# Altium PCB STM32最小系统.PcbDoc (part 4 of 4) (continued)
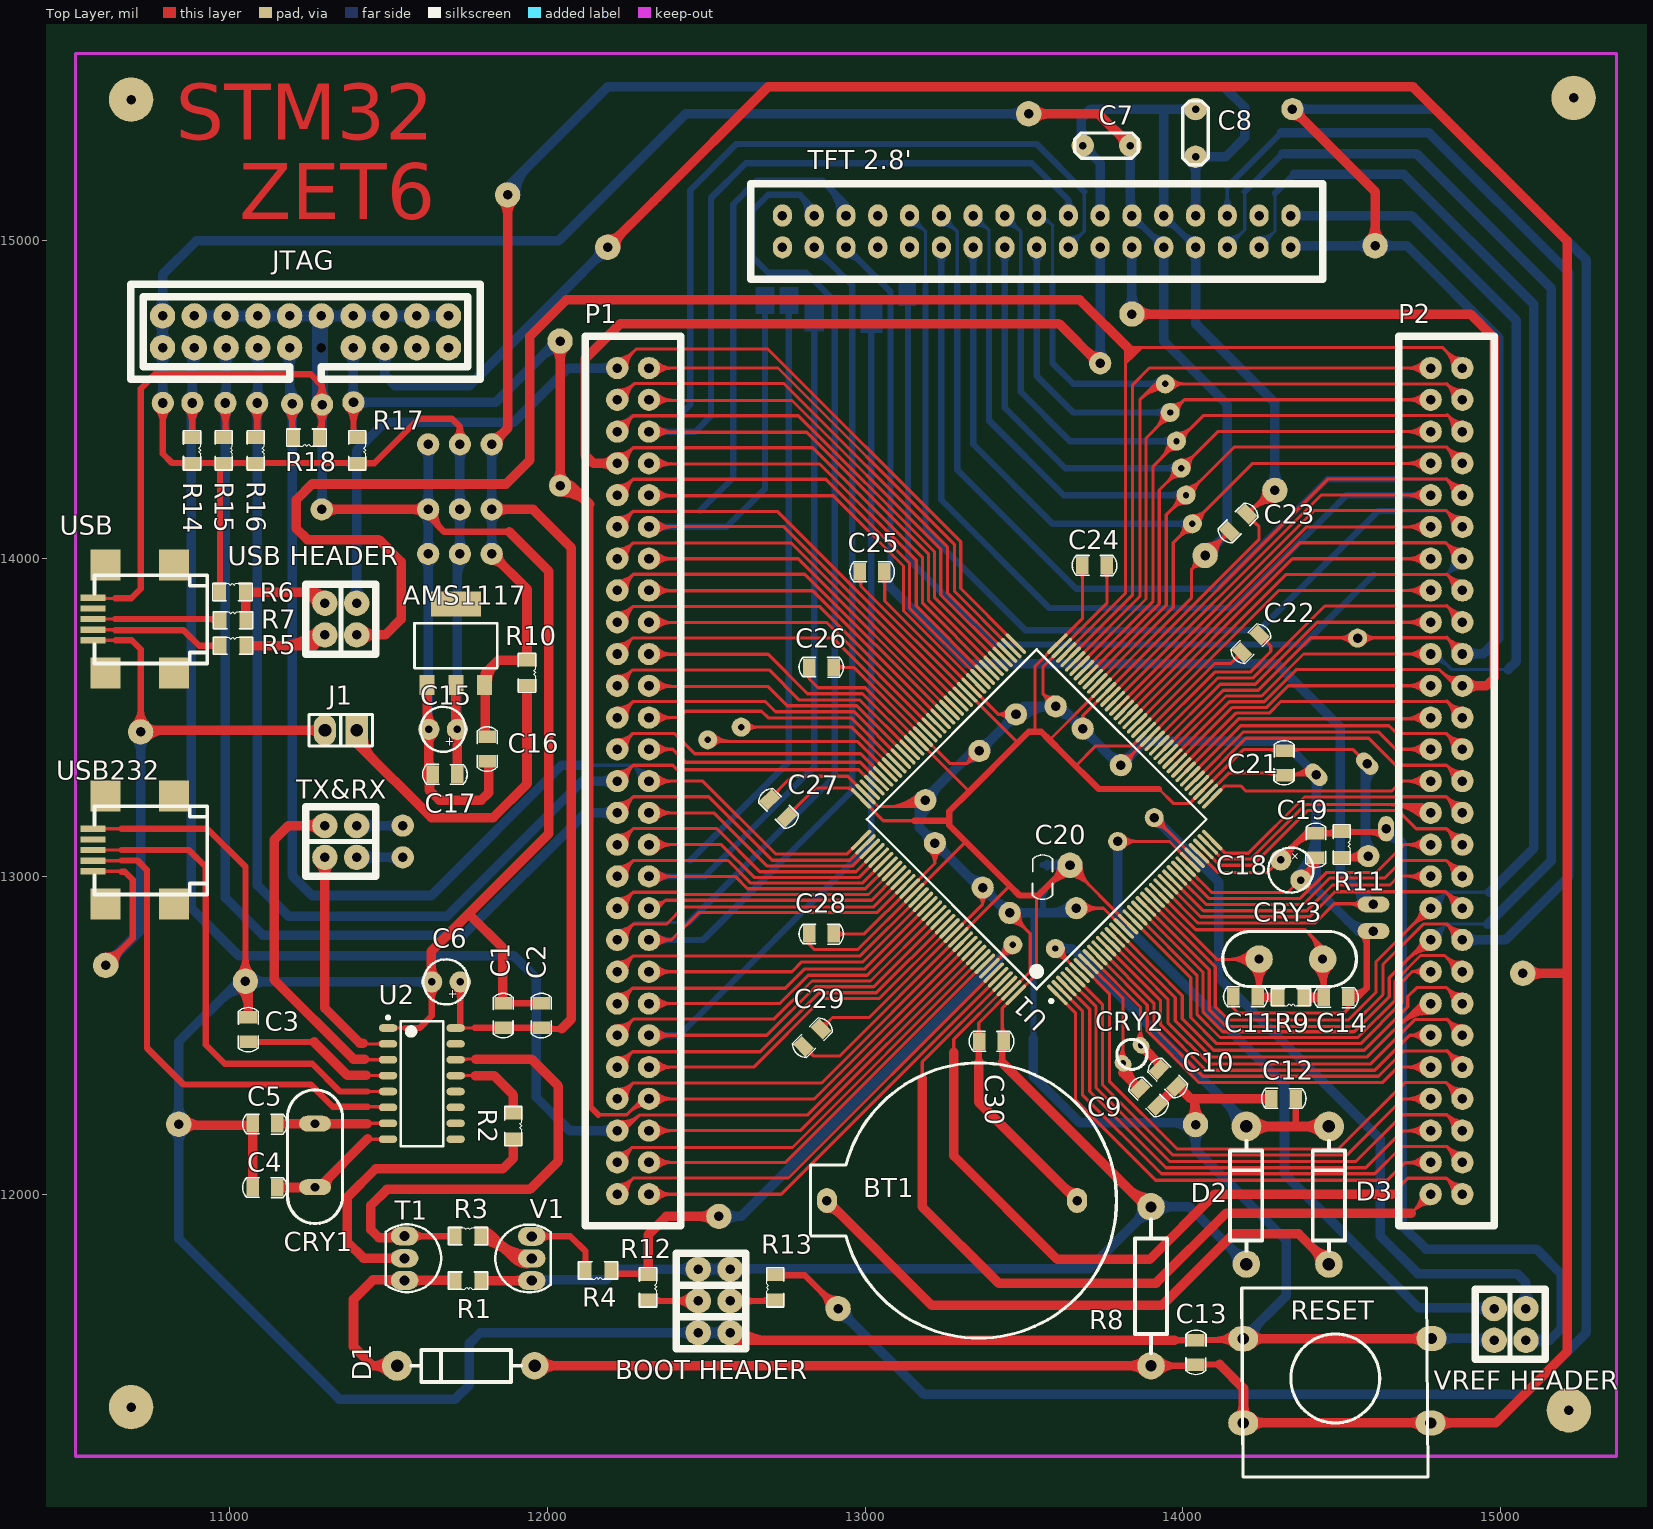
[diagram p0: Top Layer view]
## Nets (pads, with @x,y where several pads share a name; then routed paths per layer and width w, separated by ;. In a path a pad name is that pad's centre, name@x,y a point inside that pad or via, vN(x,y) a via of type N, cw(c..) or ccw(c..) an arc to the next point about the centre after c; other vN are vias at no path point) (continued)
  Top Layer w20: pad.2@10790,14485 10790,14330 10819,14301 R14.2@10882,14301 ; R14.2@10881,14301 R14.2@10882,14301 ; R6.1@10970,13895 10970,14289 R15.2@10982,14301 ; R17.2@11402,14301 R16.2@11082,14301 R15.2@10982,14301 ; R17.2@11410,14300 11455,14300 11595,14440 11700,14440 11725,14415 ; C17.2@11712,13308 C17.2@11717,13313 ; C15.1@11712,13463 C15.1@11713,13462 ; pad.9@11725,14360 11725,14415 ; V1.1@11950,11728 V1.1@11951,11727 ; 13155,13175 13265,13175 ; 13432,12413 C30.2@13432,12468 ; pad.25@13645,13035 13640,13035 13545,12940 13540,12940 13486,12940 13455.64,12970.36 13265,13161 13265,13175 ; 13925,13275 13735,13275 13625,13385 13580.6,13429.4 13555,13455 13515,13455 13480.48,13420.48 13327.36,13267.36 13265,13205 13265,13175 ; R11.2@14501,13057 pad.1@14577,13057 ; 10790,14429.64 cw(c10850.36,14429.64) 10807.68,14472.32 ccw(c10850.36,14429.64) 10790,14429.64 ; 10790,14429.64 ccw(c10729.64,14429.64) 10772.32,14472.32 cw(c10729.64,14429.64) 10790,14429.64 ; 10848.78,14301 cw(c10848.78,14277.62) 10865.31,14294.15 ccw(c10848.78,14277.62) 10848.78,14301 ; 10848.78,14301 ccw(c10848.78,14324.38) 10865.31,14307.85 cw(c10848.78,14324.38) 10848.78,14301 ; R14.2@10882,14301 R15.2@10982,14301 ; 10915.22,14301 cw(c10915.22,14324.38) 10898.69,14307.85 ccw(c10915.22,14324.38) 10915.22,14301 ; 10915.22,14301 ccw(c10915.22,14277.62) 10898.69,14294.15 cw(c10915.22,14277.62) 10915.22,14301 ; 10948.78,14301 cw(c10948.78,14277.62) 10965.31,14294.15 ccw(c10948.78,14277.62) 10948.78,14301 ; 10948.78,14301 ccw(c10948.78,14324.38) 10965.31,14307.85 cw(c10948.78,14324.38) 10948.78,14301 ; 11015.22,14301 cw(c11015.22,14324.38) 10998.69,14307.85 ccw(c11015.22,14324.38) 11015.22,14301 ; 11015.22,14301 ccw(c11015.22,14277.62) 10998.69,14294.15 cw(c11015.22,14277.62) 11015.22,14301 ; 11048.78,14301 cw(c11048.78,14277.62) 11065.31,14294.15 ccw(c11048.78,14277.62) 11048.78,14301 ; 11048.78,14301 ccw(c11048.78,14324.38) 11065.31,14307.85 cw(c11048.78,14324.38) 11048.78,14301 ; 11115.22,14301 cw(c11115.22,14324.38) 11098.69,14307.85 ccw(c11115.22,14324.38) 11115.22,14301 ; 11115.22,14301 ccw(c11115.22,14277.62) 11098.69,14294.15 cw(c11115.22,14277.62) 11115.22,14301 ; 11368.78,14301 cw(c11368.78,14277.62) 11385.31,14294.15 ccw(c11368.78,14277.62) 11368.78,14301 ; 11368.78,14301 ccw(c11368.78,14324.38) 11385.31,14307.85 cw(c11368.78,14324.38) 11368.78,14301 ; 11725,14415 cw(c11677.01,14415) 11708.56,14378.84 ccw(c11677.01,14415) 11725,14415 ; 11725,14415 ccw(c11772.99,14415) 11741.44,14378.84 cw(c11772.99,14415) 11725,14415 ; R6.1@10962.15,13911.69 ccw(c10943.2,13930.64) 10970,13930.64 cw(c10943.2,13930.64) R6.1@10962.15,13911.69 ; 10970,13925.81 ccw(c10989.97,13925.81) 10975.85,13911.69 cw(c10989.97,13925.81) 10970,13925.81 ; 10970,14272.41 cw(c11000.75,14272.41) 10979.01,14294.15 ccw(c11000.75,14272.41) 10970,14272.41 ; R17.2@11418.69,14294.15 cw(c11432.81,14280.03) 11432.81,14300 ccw(c11432.81,14280.03) R17.2@11418.69,14294.15 ; R17.2@11418.69,14307.85 ccw(c11437.64,14326.8) 11437.64,14300 cw(c11437.64,14326.8) R17.2@11418.69,14307.85 ; 13432,12439.88 cw(c13469.34,12439.88) 13442.94,12466.28 ccw(c13469.34,12439.88) 13432,12439.88 ; 13585.25,12980.25 cw(c13645,12920.5) 13645,13005 ccw(c13645,12920.5) 13585.25,12980.25 ; 13597.32,12992.32 ccw(c13554.64,13035) 13615,13035 cw(c13554.64,13035) 13597.32,12992.32 ; R11.2@14506.75,13057 ccw(c14506.75,13141.25) 14566.32,13081.68 cw(c14506.75,13141.25) R11.2@14506.75,13057 ; R11.2@14516.69,13066.85 ccw(c14540.47,13090.62) 14540.47,13057 cw(c14540.47,13090.62) R11.2@14516.69,13066.85 ; 14540.54,13057 cw(c14540.54,13020.54) 14566.32,13046.32 ccw(c14540.54,13020.54) 14540.54,13057
  Top Layer w30: C15.1@11712,13463 AMS1117.2@11712,13603 ; C17.2@11717,13313 C15.1@11717,13463 ; R1.1@11791,11728 V1.1@11950,11728 ; 13432,12413 13599.5,12245.5 R8.2@13889,11956 ; pad.9@13515,15400 13735,15400 C7.2@13835,15300 ; 11717,13418.42 cw(c11761.58,13418.42) 11730.06,13449.94 ccw(c11761.58,13418.42) 11717,13418.42 ; 11717,13418.42 ccw(c11672.42,13418.42) 11703.94,13449.94 cw(c11672.42,13418.42) 11717,13418.42 ; 11902.15,11728 cw(c11902.15,11692.93) 11926.95,11717.73 ccw(c11902.15,11692.93) 11902.15,11728 ; 11902.15,11728 ccw(c11902.15,11763.07) 11926.95,11738.27 cw(c11902.15,11763.07) 11902.15,11728 ; 13575.36,15400 cw(c13575.36,15460.36) 13532.68,15417.68 ccw(c13575.36,15460.36) 13575.36,15400 ; 13575.36,15400 ccw(c13575.36,15339.64) 13532.68,15382.32 cw(c13575.36,15339.64) 13575.36,15400 ; 13800.12,15334.88 cw(c13765.24,15300) 13814.57,15300 ccw(c13765.24,15300) 13800.12,15334.88 ; 13800.12,15334.88 ccw(c13835,15369.76) 13835,15320.43 cw(c13835,15369.76) 13800.12,15334.88 ; 11712,13519.65 ccw(c11773.65,13519.65) 11730.06,13476.06 cw(c11773.65,13519.65) 11712,13519.65 ; 13826.07,12018.93 ccw(c13900,12092.86) 13900,11988.31 cw(c13900,12092.86) 13826.07,12018.93 ; 13862.28,11982.72 cw(c13839.57,11960) 13871.69,11960 ccw(c13839.57,11960) 13862.28,11982.72
  Bottom Layer w10: 13920,15000 13940,15000
  Bottom Layer w20: pad.9@11717,14007 pad.9@11725,14015 ; C20.2@13559,13036.09 13643.91,13036.09 pad.25@13645,13035 ; 13835,15085 13920,15000 ; pad.1@14575,13073 pad.1@14584,13064 ; pad.1@14581,13064 pad.1@14584,13064 ; pad.1@14587,13064 pad.1@14584,13064 ; 13590.26,13036.09 cw(c13590.26,13059.47) 13573.72,13042.94 ccw(c13590.26,13059.47) 13590.26,13036.09 ; 13590.26,13036.09 ccw(c13590.26,13012.71) 13573.72,13029.24 cw(c13590.26,13012.71) 13590.26,13036.09 ; C20.2@13569.95,13036.09 cw(c13569.95,12959.95) 13623.79,13013.79 ccw(c13569.95,12959.95) C20.2@13569.95,13036.09 ; C20.2@13575.2,13036.09 ccw(c13575.2,13104.8) 13623.79,13056.21 cw(c13575.2,13104.8) C20.2@13575.2,13036.09 ; 13840,15055 cw(c13840,14994.64) 13882.68,15037.32 ccw(c13840,14994.64) 13840,15055 ; 13860,15075 ccw(c13896.21,15075) 13870.61,15049.39 cw(c13896.21,15075) 13860,15075 ; 13897.32,15022.68 ccw(c13940,15065.36) 13940,15005 cw(c13940,15065.36) 13897.32,15022.68 ; 13909.39,15010.61 cw(c13883.79,14985) 13920,14985 ccw(c13883.79,14985) 13909.39,15010.61
  Bottom Layer w30: pad.2@10790,14490 JTAG.1@10790,14661 ; JTAG.1@10790,14665 JTAG.1@10790,14661 ; C15.1@11717,13463 pad.9@11717,14007 ; pad.9@11725,14015 pad.9@11725,14155 pad.9@11725,14360 ; V1.1@11950,11730 12185,11730 12219,11764 12475,11764 12573,11764 12575,11766 ; 12575,11765 13705,11765 R8.2@13900,11960 14021,11960 D2.1@14202,11779 ; pad.9@13525,15400 12435,15400 12035,15000 10895,15000 10789,14894 JTAG.2@10789,14764 JTAG.1@10789,14664 10789,14662 JTAG.1@10790,14661 ; 13835,15085 13835,15305 C7.2@13840,15310 ; 13940,14980 13940,14685 14140,14485 14140,14080 pad.8@14075,14015 ; pad.1@14575,13073 pad.0@14575,13360 ; JTAG.1@10789,14703.64 cw(c10849.36,14703.64) 10806.68,14746.32 ccw(c10849.36,14703.64) JTAG.1@10789,14703.64 ; JTAG.1@10789,14703.64 ccw(c10728.64,14703.64) 10771.32,14746.32 cw(c10728.64,14703.64) JTAG.1@10789,14703.64 ; JTAG.2@10789,14724.36 cw(c10728.64,14724.36) 10771.32,14681.68 ccw(c10728.64,14724.36) JTAG.2@10789,14724.36 ; JTAG.2@10789,14724.36 ccw(c10849.36,14724.36) 10806.68,14681.68 cw(c10849.36,14724.36) JTAG.2@10789,14724.36 ; 10789,14824.36 cw(c10728.64,14824.36) 10771.32,14781.68 ccw(c10728.64,14824.36) 10789,14824.36 ; 10789,14824.36 ccw(c10849.36,14824.36) 10806.68,14781.68 cw(c10849.36,14824.36) 10789,14824.36 ; 10790,14538.28 cw(c10741.72,14538.28) 10775.86,14504.14 ccw(c10741.72,14538.28) 10790,14538.28 ; 10790,14538.28 ccw(c10838.28,14538.28) 10804.14,14504.14 cw(c10838.28,14538.28) 10790,14538.28 ; 11717,13507.58 cw(c11672.42,13507.58) 11703.94,13476.06 ccw(c11672.42,13507.58) 11717,13507.58 ; 11717,13507.58 ccw(c11761.58,13507.58) 11730.06,13476.06 cw(c11761.58,13507.58) 11717,13507.58 ; 11725,14063.28 cw(c11676.72,14063.28) 11710.86,14029.14 ccw(c11676.72,14063.28) 11725,14063.28 ; 11725,14063.28 ccw(c11773.28,14063.28) 11739.14,14029.14 cw(c11773.28,14063.28) 11725,14063.28 ; 11725,14106.72 cw(c11773.28,14106.72) 11739.14,14140.86 ccw(c11773.28,14106.72) 11725,14106.72 ; 11725,14106.72 ccw(c11676.72,14106.72) 11710.86,14140.86 cw(c11676.72,14106.72) 11725,14106.72 ; 11725,14203.28 cw(c11676.72,14203.28) 11710.86,14169.14 ccw(c11676.72,14203.28) 11725,14203.28 ; 11725,14203.28 ccw(c11773.28,14203.28) 11739.14,14169.14 cw(c11773.28,14203.28) 11725,14203.28 ; 11725,14311.72 cw(c11773.28,14311.72) 11739.14,14345.86 ccw(c11773.28,14311.72) 11725,14311.72 ; 11725,14311.72 ccw(c11676.72,14311.72) 11710.86,14345.86 cw(c11676.72,14311.72) 11725,14311.72 ; 12414.64,11764 cw(c12414.64,11703.64) 12457.32,11746.32 ccw(c12414.64,11703.64) 12414.64,11764 ; 12414.64,11764 ccw(c12414.64,11824.36) 12457.32,11781.68 cw(c12414.64,11824.36) 12414.64,11764 ; 12514.64,11764 cw(c12514.64,11703.64) 12557.32,11746.32 ccw(c12514.64,11703.64) 12514.64,11764 ; 12514.64,11764 ccw(c12514.64,11824.36) 12557.32,11781.68 cw(c12514.64,11824.36) 12514.64,11764 ; 12535.36,11764 cw(c12535.36,11824.36) 12492.68,11781.68 ccw(c12535.36,11824.36) 12535.36,11764 ; 12535.36,11764 ccw(c12535.36,11703.64) 12492.68,11746.32 cw(c12535.36,11703.64) 12535.36,11764 ; 13454.64,15400 cw(c13454.64,15339.64) 13497.32,15382.32 ccw(c13454.64,15339.64) 13454.64,15400 ; 13454.64,15400 ccw(c13454.64,15460.36) 13497.32,15417.68 cw(c13454.64,15460.36) 13454.64,15400 ; 13835,15250.67 cw(c13884.33,15250.67) 13849.45,15285.55 ccw(c13884.33,15250.67) 13835,15250.67 ; 13835,15250.67 ccw(c13785.67,15250.67) 13820.55,15285.55 cw(c13785.67,15250.67) 13835,15250.67 ; 13851.68,11911.68 cw(c13900,11863.35) 13900,11931.69 ccw(c13900,11863.35) 13851.68,11911.68 ; 13851.68,11911.68 ccw(c13803.35,11960) 13871.69,11960 cw(c13803.35,11960) 13851.68,11911.68 ; 13940,14938.79 cw(c13976.21,14938.79) 13950.61,14964.39 ccw(c13976.21,14938.79) 13940,14938.79 ; 13940,14938.79 ccw(c13903.79,14938.79) 13929.39,14964.39 cw(c13903.79,14938.79) 13940,14938.79 ; 13968.34,11960 cw(c13968.34,12028.34) 13920.02,11980.02 ccw(c13968.34,12028.34) 13968.34,11960 ; 13968.34,11960 ccw(c13968.34,11891.66) 13920.02,11939.98 cw(c13968.34,11891.66) 13968.34,11960 ; 14112.68,14052.68 cw(c14070,14095.36) 14070,14035 ccw(c14070,14095.36) 14112.68,14052.68 ; 14112.68,14052.68 ccw(c14155.36,14010) 14095,14010 cw(c14155.36,14010) 14112.68,14052.68 ; JTAG.1@10771.32,14646.32 cw(c10726.23,14601.23) 10790,14601.23 ccw(c10726.23,14601.23) JTAG.1@10771.32,14646.32 ; 10790,14606.06 cw(c10846.94,14606.06) 10806.68,14646.32 ccw(c10846.94,14606.06) 10790,14606.06 ; 11717,13947.4 cw(c11792.6,13947.4) 11739.14,14000.86 ccw(c11792.6,13947.4) 11717,13947.4 ; V1.1@11975.05,11717.73 cw(c12004.68,11688.1) 12004.68,11730 ccw(c12004.68,11688.1) V1.1@11975.05,11717.73 ; V1.1@11975.05,11738.27 ccw(c11995.02,11758.24) 11995.02,11730 cw(c11995.02,11758.24) V1.1@11975.05,11738.27 ; 12592.68,11746.32 cw(c12637.77,11701.23) 12637.77,11765 ccw(c12637.77,11701.23) 12592.68,11746.32 ; 12592.68,11781.68 ccw(c12632.94,11821.94) 12632.94,11765 cw(c12632.94,11821.94) 12592.68,11781.68 ; 13835,15133.28 ccw(c13888.28,15133.28) 13850.61,15095.61 cw(c13888.28,15133.28) 13835,15133.28 ; 14150.97,11830.03 cw(c14100.94,11780) 14171.69,11780 ccw(c14100.94,11780) 14150.97,11830.03 ; 14153.38,11827.62 ccw(c14200,11874.23) 14200,11808.31 cw(c14200,11874.23) 14153.38,11827.62 ; 14575,13134.01 ccw(c14654.01,13134.01) 14598.14,13078.14 cw(c14654.01,13134.01) 14575,13134.01 ; 14575,13282.57 cw(c14652.43,13282.57) 14597.68,13337.32 ccw(c14652.43,13282.57) 14575,13282.57
VCC5: "TFT 2.8'.28" AMS1117.3 C1.2 C2.2 C6.1 C8.2 C16.2 pad.11@11825,14015 pad.11@11825,14155 pad.11@11825,14360 pad.11@11875,15145 R10.1 U2.16 | length 9698.4
  Top Layer w10: U2.16@11711.3,12523 11772,12523 ; C2.2@11981,12523 C2.2@11983,12523 ; 11745.2,12523 cw(c11745.2,12539.9) 11733.25,12527.95 ccw(c11745.2,12539.9) 11745.2,12523 ; 11745.2,12523 ccw(c11745.2,12506.1) 11733.25,12518.05 cw(c11745.2,12506.1) 11745.2,12523
  Top Layer w20: U2.16@11725,12530 11726,12531 C6.1@11726,12668 ; 11771.09,12523.91 C1.2@11861,12523.91 C2.2@11981,12523.91 ; R10.1@11935,13680 R10.1@11936,13681 ; C2.2@11995,12520 12045,12520 ; 14041,15101 14045,15105 ; 11726,12611.35 cw(c11782.65,12611.35) 11742.59,12651.41 ccw(c11782.65,12611.35) 11726,12611.35 ; 11726,12611.35 ccw(c11669.35,12611.35) 11709.41,12651.41 cw(c11669.35,12611.35) 11726,12611.35 ; 11829.74,12523.91 cw(c11829.74,12500.53) 11846.28,12517.06 ccw(c11829.74,12500.53) 11829.74,12523.91 ; 11829.74,12523.91 ccw(c11829.74,12547.29) 11846.28,12530.76 cw(c11829.74,12547.29) 11829.74,12523.91 ; 11892.26,12523.91 cw(c11892.26,12547.29) 11875.72,12530.76 ccw(c11892.26,12547.29) 11892.26,12523.91 ; 11892.26,12523.91 ccw(c11892.26,12500.53) 11875.72,12517.06 cw(c11892.26,12500.53) 11892.26,12523.91 ; 11949.74,12523.91 cw(c11949.74,12500.53) 11966.28,12517.06 ccw(c11949.74,12500.53) 11949.74,12523.91 ; 11949.74,12523.91 ccw(c11949.74,12547.29) 11966.28,12530.76 cw(c11949.74,12547.29) 11949.74,12523.91 ; C2.2@11995.72,12530.76 ccw(c12021.7,12556.74) 12021.7,12520 cw(c12021.7,12556.74) C2.2@11995.72,12530.76
  Top Layer w30: C16.2@11811,13439.09 11805,13445.09 11805,13640 11845,13680 R10.1@11935,13680 ; pad.11@11825,14155 11955,14155 12075,14035 12075,12550 12045,12520 ; pad.11@11825,14360 11875,14410 pad.11@11875,15145 ; pad.11@11830,14010 11936,13904 R10.1@11936,13681 ; 11859.14,13980.86 cw(c11893.28,14015) 11845,14015 ccw(c11893.28,14015) 11859.14,13980.86 ; 11859.14,13980.86 ccw(c11825,13946.72) 11825,13995 cw(c11825,13946.72) 11859.14,13980.86 ; 11859.14,14394.14 cw(c11825,14428.28) 11825,14380 ccw(c11825,14428.28) 11859.14,14394.14 ; 11859.14,14394.14 ccw(c11893.28,14360) 11845,14360 cw(c11893.28,14360) 11859.14,14394.14 ; 11873.28,14155 cw(c11873.28,14203.28) 11839.14,14169.14 ccw(c11873.28,14203.28) 11873.28,14155 ; 11873.28,14155 ccw(c11873.28,14106.72) 11839.14,14140.86 cw(c11873.28,14106.72) 11873.28,14155 ; 11875,15084.64 cw(c11935.36,15084.64) 11892.68,15127.32 ccw(c11935.36,15084.64) 11875,15084.64 ; 11875,15084.64 ccw(c11814.64,15084.64) 11857.32,15127.32 cw(c11814.64,15084.64) 11875,15084.64 ; AMS1117.3@11796.45,13589.03 cw(c11775.82,13568.4) 11805,13568.4 ccw(c11775.82,13568.4) AMS1117.3@11796.45,13589.03 ; AMS1117.3@11796.45,13616.97 ccw(c11775.82,13637.6) 11805,13637.6 cw(c11775.82,13637.6) AMS1117.3@11796.45,13616.97 ; AMS1117.3@11811.17,13610.87 cw(c11896.39,13610.87) 11836.13,13671.13 ccw(c11896.39,13610.87) AMS1117.3@11811.17,13610.87
  Bottom Layer w30: pad.11@11825,14015 pad.11@11825,14155 pad.11@11825,14360 ; pad.11@11880,15155 11880,15175 12190,15485 14130,15485 14195,15420 14195,15325 14135,15265 C8.2@14040,15265 14040,15100 ; 11825,14063.28 cw(c11776.72,14063.28) 11810.86,14029.14 ccw(c11776.72,14063.28) 11825,14063.28 ; 11825,14063.28 ccw(c11873.28,14063.28) 11839.14,14029.14 cw(c11873.28,14063.28) 11825,14063.28 ; 11825,14106.72 cw(c11873.28,14106.72) 11839.14,14140.86 ccw(c11873.28,14106.72) 11825,14106.72 ; 11825,14106.72 ccw(c11776.72,14106.72) 11810.86,14140.86 cw(c11776.72,14106.72) 11825,14106.72 ; 11825,14203.28 cw(c11776.72,14203.28) 11810.86,14169.14 ccw(c11776.72,14203.28) 11825,14203.28 ; 11825,14203.28 ccw(c11873.28,14203.28) 11839.14,14169.14 cw(c11873.28,14203.28) 11825,14203.28 ; 11825,14311.72 cw(c11873.28,14311.72) 11839.14,14345.86 ccw(c11873.28,14311.72) 11825,14311.72 ; 11825,14311.72 ccw(c11776.72,14311.72) 11810.86,14345.86 cw(c11776.72,14311.72) 11825,14311.72 ; 14040,15121.21 cw(c14003.79,15121.21) 14029.39,15095.61 ccw(c14003.79,15121.21) 14040,15121.21 ; 14040,15121.21 ccw(c14076.21,15121.21) 14050.61,15095.61 cw(c14076.21,15121.21) 14040,15121.21 ; 14040,15215.67 cw(c14089.33,15215.67) C8.2@14054.45,15250.55 ; 14040,15215.67 ccw(c13990.67,15215.67) 14025.55,15250.55 cw(c13990.67,15215.67) 14040,15215.67 ; 14040,15215.67 cw(c14089.33,15215.67) C8.2@14054.45,15250.55 ; C8.2@14054.45,15250.55 cw(c14089.33,15215.67) 14089.33,15265 ; C8.2@14054.45,15250.55 cw(c14089.33,15215.67) 14089.33,15265 ; 14089.33,15265 cw(c14089.33,15314.33) 14054.45,15279.45 ccw(c14089.33,15314.33) 14089.33,15265 ; pad.11@11900,15145 cw(c12020.71,15145) 11935.36,15230.36 ccw(c12020.71,15145) pad.11@11900,15145
VDDA: "VREF HEADER.2" C18.1 C19.2 pad.2@14640,13150 R11.1 U1.33 | length 3866.1
  Top Layer w10: U1.33@14050.84,13072.82 14051.18,13072.82 14112,13012 14265,13012 C18.1@14304,13051 ; C19.2@14419,13136 14388.4,13136 ; R11.1@14499.09,13136.09 R11.1@14501,13138 ; R11.1@14500,13140 14510,13150 14519,13150 R11.1@14529,13140 ; pad.2@14644,13151 pad.2@14645,13150 ; 14388.4,13136 cw(c14388.4,13125.69) 14397.77,13129.98 ccw(c14388.4,13125.69) 14388.4,13136 ; 14388.4,13136 ccw(c14388.4,13146.19) 14397.71,13142.05 cw(c14388.4,13146.19) 14388.4,13136
  Top Layer w20: C18.1@14305.49,13053.09 14388.4,13136 ; C19.2@14419,13136.09 R11.1@14499.09,13136.09 ; R11.1@14529,13140 pad.2@14633,13140 ; 14450.26,13136.09 cw(c14450.26,13159.47) 14433.72,13142.94 ccw(c14450.26,13159.47) 14450.26,13136.09 ; 14450.26,13136.09 ccw(c14450.26,13112.71) 14433.72,13129.24 cw(c14450.26,13112.71) 14450.26,13136.09 ; 14533.22,13140 cw(c14533.22,13163.38) 14516.69,13146.85 ccw(c14533.22,13163.38) 14533.22,13140 ; 14533.22,13140 ccw(c14533.22,13116.62) 14516.69,13133.15 cw(c14533.22,13116.62) 14533.22,13140 ; C18.1@14308.18,13075.28 ccw(c14308.18,13122.36) 14341.47,13089.07 cw(c14308.18,13122.36) C18.1@14308.18,13075.28 ; C18.1@14331.64,13051.82 cw(c14397.86,13051.82) 14351.04,13098.64 ccw(c14397.86,13051.82) C18.1@14331.64,13051.82 ; 14355.94,13103.54 cw(c14411.13,13048.36) 14411.13,13126.4 ccw(c14411.13,13048.36) 14355.94,13103.54 ; 14377.08,13124.68 cw(c14393.53,13108.23) 14405.95,13127.9 ccw(c14393.53,13108.23) 14377.08,13124.68 ; 14390.08,13137.69 cw(c14411.13,13116.64) 14411.13,13146.4 ccw(c14411.13,13116.64) 14390.08,13137.69 ; 14457.33,13136.09 ccw(c14457.33,13172.83) 14483.31,13146.85 cw(c14457.33,13172.83) 14457.33,13136.09 ; 14591.72,13140 cw(c14591.72,13086.72) 14629.39,13124.39 ccw(c14591.72,13086.72) 14591.72,13140
  Top Layer w30: pad.2@14633,13140 pad.2@14644,13151
  Bottom Layer w20: pad.2@14640,13150 pad.2@14645,13150
  Bottom Layer w30: pad.2@14645,13150 14690,13105 14690,11902 14765,11827 15113,11827 15191,11749 15191,11577 15155,11541 15080,11541 ; pad.2@14640,13125 cw(c14640,13052.57) 14691.21,13103.79 ccw(c14640,13052.57) pad.2@14640,13125 ; 15097.68,11522.32 cw(c15142.77,11477.23) 15142.77,11541 ccw(c15142.77,11477.23) 15097.68,11522.32 ; 15097.68,11557.68 ccw(c15137.94,11597.94) 15137.94,11541 cw(c15137.94,11597.94) 15097.68,11557.68
VREF+: "VREF HEADER.1" pad.1@13910,13185 U1.32 | length 3020.4
  Top Layer w10: pad.1@13905.82,13190 pad.1@13910.82,13185 ; pad.1@13910,13185 pad.1@13910.82,13185 ; 13949.82,13146 13960.41,13135.41 ; U1.32@14036.92,13058.9 13960.41,13135.41 ; pad.1@13910.82,13185 13960.41,13135.41 ; pad.1@13910,13160 cw(c13910,13097.65) 13954.08,13141.74 ccw(c13910,13097.65) pad.1@13910,13160 ; pad.1@13910,13170 cw(c13910,13131.8) 13937.01,13158.81 ccw(c13910,13131.8) pad.1@13910,13170 ; pad.1@13925,13185 ccw(c13959.22,13185) 13935.02,13160.8 cw(c13959.22,13185) pad.1@13925,13185 ; pad.1@13935,13185 ccw(c13993.37,13185) 13952.09,13143.73 cw(c13993.37,13185) pad.1@13935,13185
  Bottom Layer w30: pad.1@13910,13185 13949,13146 14113,12982 14113,12682 14621,12174 14621,11869 14740,11750 15052,11750 15080,11722 15080,11640 ; 13935.61,13159.39 cw(c13961.21,13185) 13925,13185 ccw(c13961.21,13185) 13935.61,13159.39 ; 13935.61,13159.39 ccw(c13910,13133.79) 13910,13170 cw(c13910,13133.79) 13935.61,13159.39 ; 15080,11700.36 cw(c15019.64,11700.36) 15062.32,11657.68 ccw(c15019.64,11700.36) 15080,11700.36 ; 15080,11700.36 ccw(c15140.36,11700.36) 15097.68,11657.68 cw(c15140.36,11700.36) 15080,11700.36
VREF-: "VREF HEADER.3" pad.0@13795,13110 U1.31 | length 3021.8
  Top Layer w10: pad.0@13795,13110 13957.99,13110 U1.31@14023,13044.98 13978.99,13089 ; 13831.21,13110 cw(c13831.21,13146.21) 13805.61,13120.61 ccw(c13831.21,13146.21) 13831.21,13110 ; 13831.21,13110 ccw(c13831.21,13073.79) 13805.61,13099.39 cw(c13831.21,13073.79) 13831.21,13110 ; 13855.36,13110 cw(c13855.36,13170.36) 13812.68,13127.68 ccw(c13855.36,13170.36) 13855.36,13110 ; 13855.36,13110 ccw(c13855.36,13049.64) 13812.68,13092.32 cw(c13855.36,13049.64) 13855.36,13110
  Bottom Layer w30: pad.0@13795,13110 13795,12869 14320,12344 14320,12064 14741,11643 14980,11643 ; 13795,13073.79 cw(c13831.21,13073.79) 13805.61,13099.39 ccw(c13831.21,13073.79) 13795,13073.79 ; 13795,13073.79 ccw(c13758.79,13073.79) 13784.39,13099.39 cw(c13758.79,13073.79) 13795,13073.79 ; 14912.4,11643 cw(c14912.4,11572.4) 14962.32,11622.32 ccw(c14912.4,11572.4) 14912.4,11643 ; 14926.89,11643 ccw(c14926.89,11693.11) 14962.32,11657.68 cw(c14926.89,11693.11) 14926.89,11643
VUSB: J1.2 pad.7@10720,13455 pad.8@10610,12720 USB232.1 USB.1 | length 3528.7
  Top Layer w10: USB232.1@10570,13016.07 10653.93,13016.07 ; USB.1@10570,13743.07 10641.93,13743.07 ; 10686.93,13743.07 10691.93,13743.07 ; 10611.22,13016.07 cw(c10611.22,13027.76) 10602.95,13019.5 ccw(c10611.22,13027.76) 10611.22,13016.07 ; 10611.22,13016.07 ccw(c10611.22,13004.38) 10602.95,13012.65 cw(c10611.22,13004.38) 10611.22,13016.07 ; 10611.22,13743.07 cw(c10611.22,13754.76) 10602.95,13746.5 ccw(c10611.22,13754.76) 10611.22,13743.07 ; 10611.22,13743.07 ccw(c10611.22,13731.38) 10602.95,13739.65 cw(c10611.22,13731.38) 10611.22,13743.07
  Top Layer w20: pad.8@10610,12720 10610,12730 10620,12730 10695,12805 10695,12990 10670,13015 10660,13015 ; 10641.93,13743.07 10686.93,13743.07 ; 10691.93,13743.07 10720,13715 pad.7@10720,13455 ; pad.7@10730,13460 10725,13460 pad.7@10730,13465 ; 10965,13460 10970,13460 11020,13460 ; 10661.21,12771.21 cw(c10610,12822.43) 10610,12750 ccw(c10610,12822.43) 10661.21,12771.21 ; 10661.21,12771.21 ccw(c10712.43,12720) 10640,12720 cw(c10712.43,12720) 10661.21,12771.21 ; 10720,13527.43 cw(c10647.57,13527.43) 10698.79,13476.21 ccw(c10647.57,13527.43) 10720,13527.43 ; 10720,13527.43 ccw(c10792.43,13527.43) 10741.21,13476.21 cw(c10792.43,13527.43) 10720,13527.43
  Top Layer w30: pad.7@10730,13460 10970,13460 J1.2@11300,13460 ; 11251.72,13460 cw(c11251.72,13411.72) 11285.86,13445.86 ccw(c11251.72,13411.72) 11251.72,13460 ; 11251.72,13460 ccw(c11251.72,13508.28) 11285.86,13474.14 cw(c11251.72,13508.28) 11251.72,13460 ; pad.7@10737.68,13437.32 cw(c10792.43,13382.57) 10792.43,13460 ccw(c10792.43,13382.57) pad.7@10737.68,13437.32 ; pad.7@10737.68,13472.68 ccw(c10768.28,13503.28) 10768.28,13460 cw(c10768.28,13503.28) pad.7@10737.68,13472.68
  Bottom Layer w30: pad.8@10610,12720 10720,12830 10720,13340 pad.7@10720,13455 ; 10652.68,12762.68 cw(c10610,12805.36) 10610,12745 ccw(c10610,12805.36) 10652.68,12762.68 ; 10652.68,12762.68 ccw(c10695.36,12720) 10635,12720 cw(c10695.36,12720) 10652.68,12762.68 ; 10720,13394.64 cw(c10780.36,13394.64) 10737.68,13437.32 ccw(c10780.36,13394.64) 10720,13394.64 ; 10720,13394.64 ccw(c10659.64,13394.64) 10702.32,13437.32 cw(c10659.64,13394.64) 10720,13394.64
pads on no net: "TFT 2.8'.32" AMS1117.4 JTAG.11 JTAG.17 JTAG.19 U1.106 U2.9 U2.10 U2.11 U2.12 U2.15 USB232.0 USB232.4 USB.0 USB.4

## Keep-outs
Keep-Out Layer:
  lines w10: 11000,15590 15365,15590 15365,11175 10515,11175 10515,15590 11040,15590

## Other copper
Top Layer:
  rectangle net PB11: 13820,14625 13835,14645
  rectangle net PB11: 13820,14640 13850,14665
  rectangle net PB11: 13820,14660 13870,14670
  rectangle net PB11: 13830,14635 13845,14650
  rectangle net PB11: 13840,14650 13860,14665
  rectangle net PB11: 13815,14615 13825,14665
  text "STM32" at 10830,15260 h300
  text "ZET6" at 11030,15010 h300
Bottom Layer:
  rectangle net "FSMC A10": 13105,14795 13160,14890
  rectangle net "FSMC NE4": 12985,14710 13055,14825
  rectangle net "FSMC D3": 12810,14715 12870,14805
  rectangle net "FSMC D2": 12730,14770 12790,14855
  rectangle net "FSMC D1": 12655,14770 12715,14855

## Text inside footprints (layer, text, board x,y; h text height)
C6: Top Overlay "+" at 11717.42,12641.42 h27.56 r180
C15: Top Overlay "+" at 11708.42,13436.42 h27.56 r180
C18: Top Overlay "+" at 14333.04,13064.54 h27.56 r315